# Altium PCB braking_io.PcbDoc (part 4 of 4)
Units mil, origin at the board's own origin, x right, y up, seen from the top; angles counter-clockwise.
Board outline 6000 x 3840 mil, 4 copper layers (Top Layer, GND, PWR, Bottom Layer), stack 61.7 mil thick; 458 components, 212 nets, 1177 pads, 414 vias.
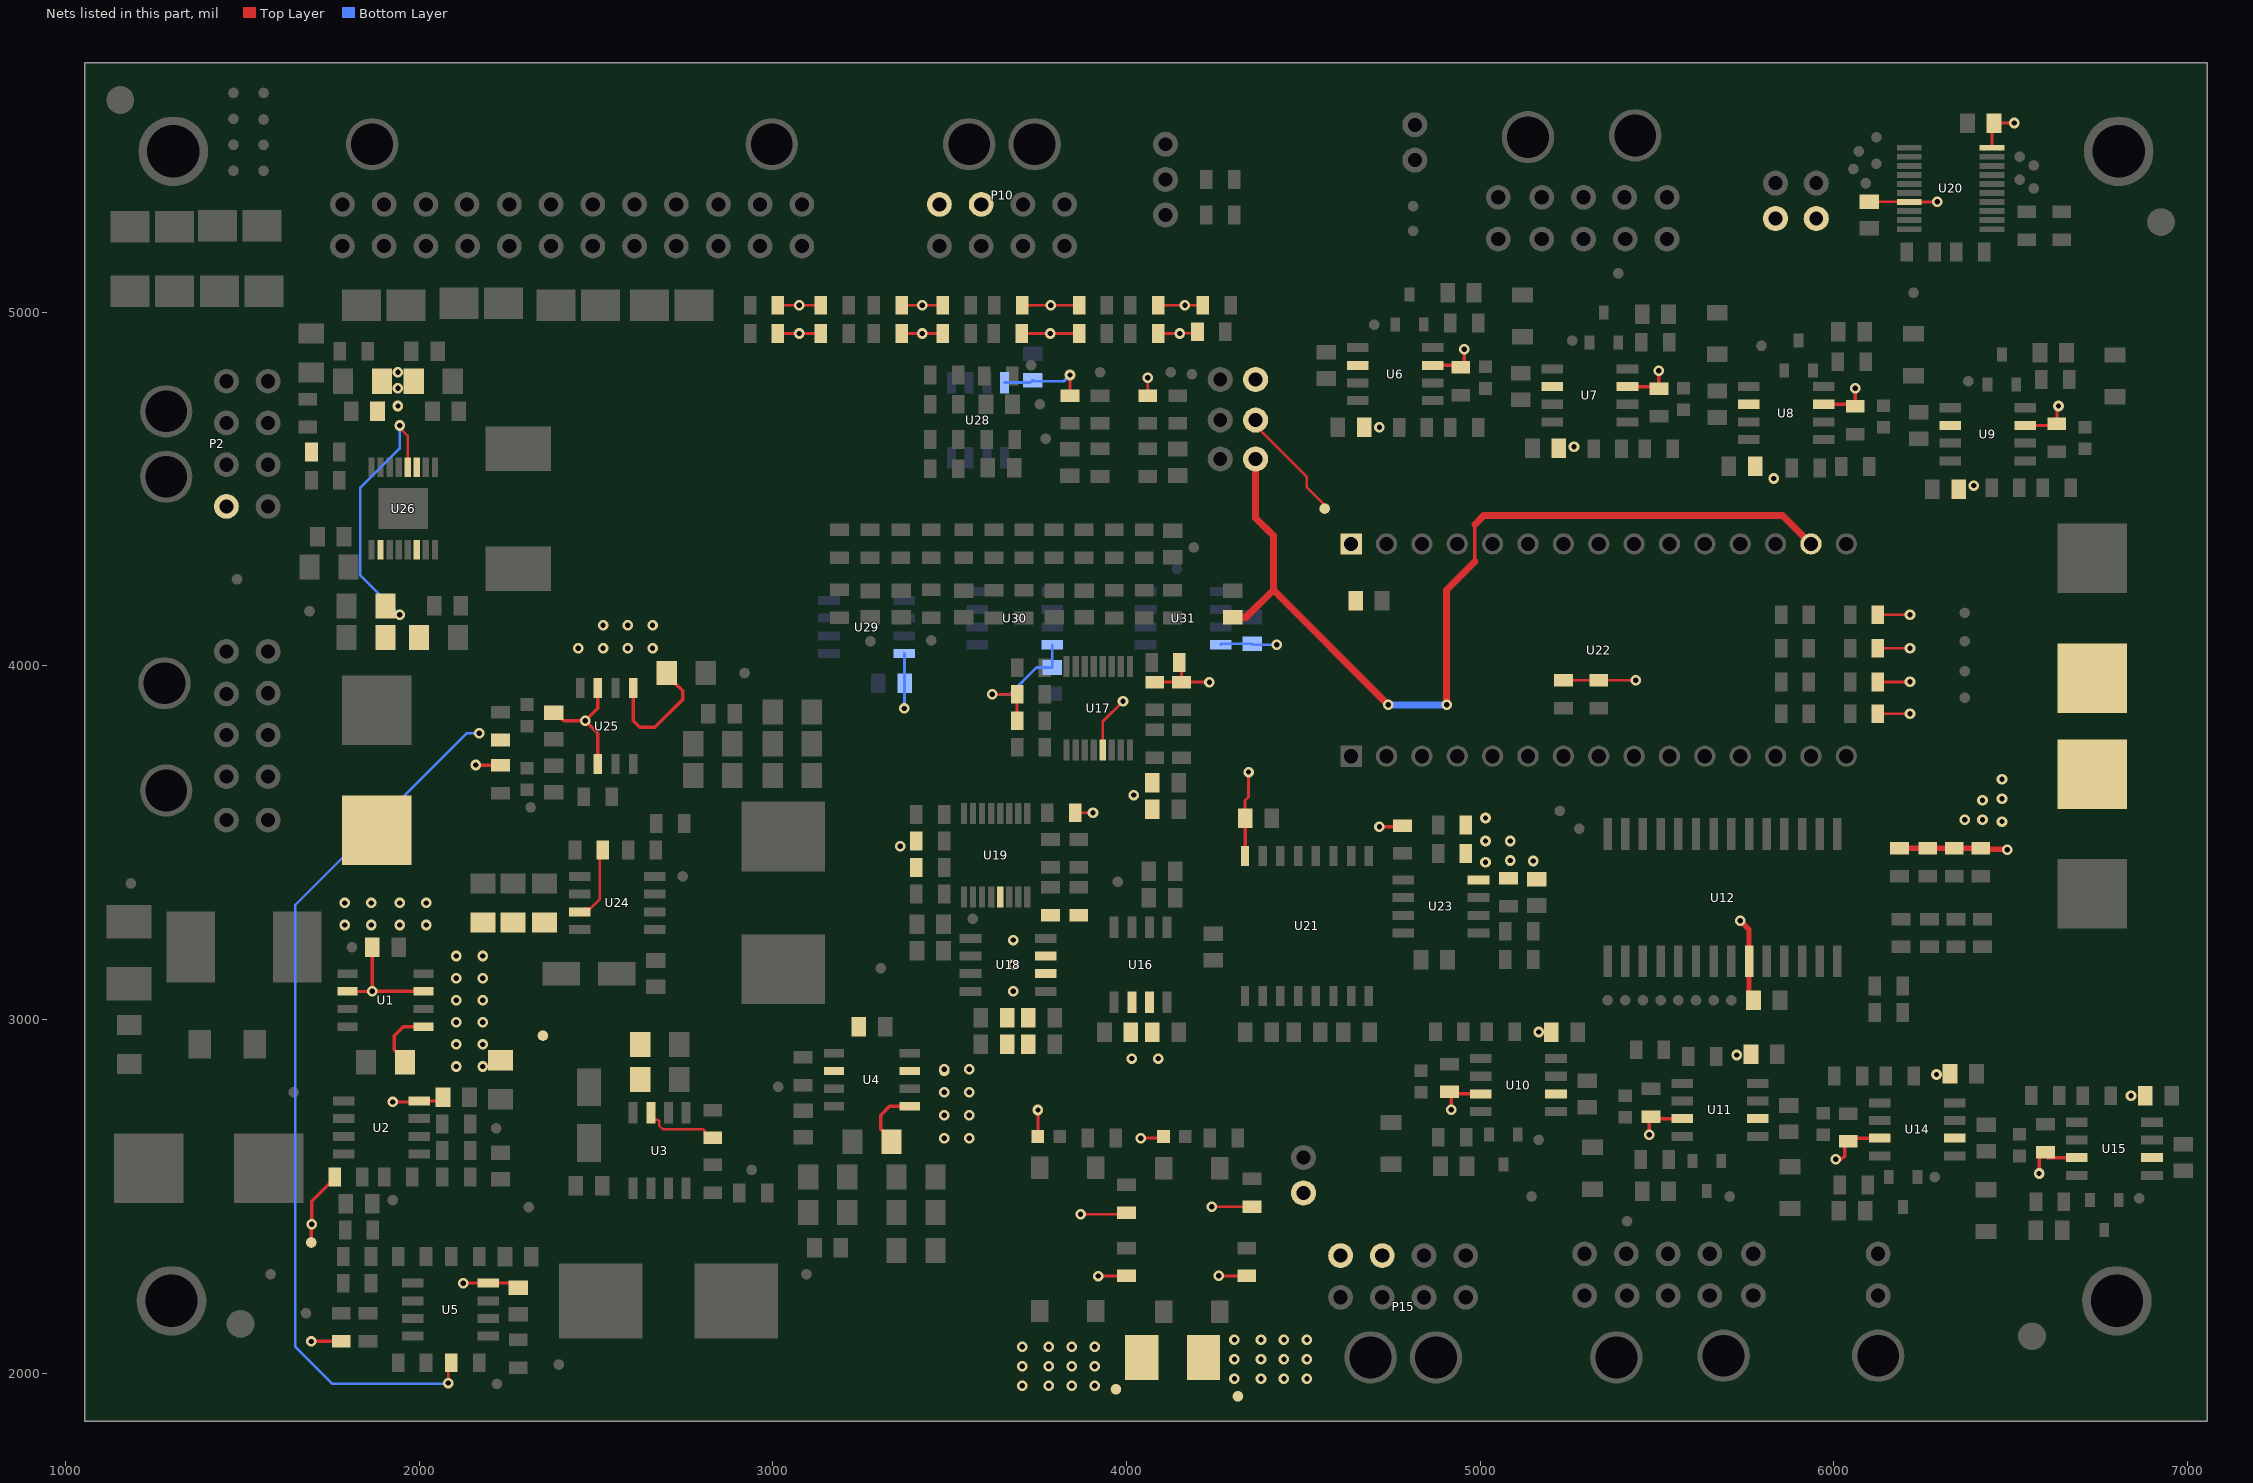
[diagram p6: the nets of this part, all layers, seen from the top]

## Via types
v1: diameter 30, hole 15, Top Layer to Bottom Layer, 414 vias

## Nets (pads, with @x,y where several pads share a name; then routed paths per layer and width w, separated by ;. In a path a pad name is that pad's centre, name@x,y a point inside that pad or via, vN(x,y) a via of type N, cw(c..) or ccw(c..) an arc to the next point about the centre after c; other vN are vias at no path point) (continued)
V-BUS_FILT: C6.1 C7.1 C8.1 C81.1 C82.1 C83.1 C90.1 C101.1 C102.1 C103.1 F2.1 P3.1 P15.7 P15.8 R2.2 R4.1 R9.1 R148.1 R162.1 R165.1 TP11.1 TP16.1 TP86.1 U1.1 U3.7 U24.7 U26.4 U26.10 U26.14 | length 1747.4
  Top Layer w7: v1(1945,4680) 1945,4673.44 1967.8,4650.64 U26.4@1967.8,4561.14 ; U24.7@2453.62,3305 2462.92,3314.3 2484.3,3314.3 2510,3340 2510,3470.63 R148.1@2519.37,3480 ; U3.7@2655,2736.3 2655,2726.4 2664.3,2717.1 2674.19,2717.1 2678.7,2712.59 2678.7,2700.2 2688.9,2690 2802.82,2690 2806.93,2685.9 2806.93,2679.85 2821.14,2665.63 R9.1@2830,2665.63
  Top Layer w8: v1(3920,2275) 3920.63,2275.63 R162.1@4000,2275.63 ; v1@4260,2275 v1(4260.63,2275.63) R165.1@4340,2275.63
  Top Layer w10: TP11.1@1695,2370 1695,2420 v1(1696.25,2421.25) 1696.25,2486.25 1756.93,2546.93 1756.93,2555 R4.1@1760.91,2555 ; R2.2@1960.12,2880 1960.12,2885.91 1936.57,2909.45 1935.86,2909.45 1930,2915.31 1930,2955 1955,2980 U1.1@2012.28,2980
  Bottom Layer w7: v1(1945,4145) 1833,4257 1833,4502.69 1945,4614.69 v1(1945,4680)
  other v1: 3705,1965 3780,1965 3845,1965 3910,1965 3705,2020 3780,2020 3845,2020 3910,2020 3705,2075 3780,2075 3845,2075 3910,2075 2105,2867.5 2180,2867.5 2105,2930 2180,2930 2105,2992.5 2180,2992.5 2105,3055 2180,3055 2105,3117.5 2180,3117.5 2105,3180 2180,3180 1790,3267.5 1865,3267.5 1945,3267.5 2020,3267.5 1790,3330 1865,3330 1945,3330 2020,3330
V-BUS_SOL: C19.1 C20.1 C25.1 C26.1 C31.1 C32.1 C39.1 C40.1 F2.2 TP12.1 U6.2 U7.2 U8.2 U9.2 U10.2 U11.2 U14.2 U15.2
  other v1: 4305,1985 4380,1985 4445,1985 4510,1985 4305,2040 4380,2040 4445,2040 4510,2040 4305,2095 4380,2095 4445,2095 4510,2095 6840,2785 6290,2845 5725,2900 5165,2965 6395,4510 5830,4530 5265,4620 4715,4675
V-POS3V3: C77.1 P6.1 U22.4.14 | length 2699
  Top Layer w10: 4985,4295 4985,4400
  Top Layer w20: C77.1@4300,4137.6 4337.6,4137.6 4415,4215 ; P6.1@4365,4585 4365,4418.12 4415,4368.12 4415,4215 ; v1(4740,3890) 4415,4215 ; v1(4905,3890) 4905,4215 4985,4295 ; 4985,4400 5010,4425 5855,4425 U22.4.14@5935,4345
  Bottom Layer w20: v1(4740,3890) v1(4905,3890)
V-POS5V: C2.2 C4.1 C16.1 C17.2 C37.1 C38.1 C55.1 C56.1 C59.1 C60.1 C61.1 C62.1 C65.1 C66.1 C67.1 C68.1 C76.1 C78.1 C91.1 C93.2 C100.1 C108.1 LED11.1 LED.1 P2.1 P5.1 P10.1 P10.2 P13.1 P14.1 R8.2 R11.2 R15.2 R19.1 R20.1 R27.1 R28.1 R35.1 R36.1 R43.2 R44.2 R45.2 R46.2 R53.1 R54.1 R61.2 R63.2 R65.2 R67.2 R81.2 R83.2 R85.2 R87.2 R103.2 R104.2 R107.2 R108.2 R109.2 R110.2 R111.2 R116.2 R117.2 R118.2 R119.2 R120.2 R129.2 R130.2 R131.2 R133.2 R134.2 R135.2 R136.2 R137.2 R138.2 R139.2 R163.2 R166.2 TP18.1 U1.3 U1.6 U2.8 U4.1 U4.3 U4.6 U5.8 U6.7 U7.7 U8.7 U9.7 U10.7 U11.7 U12.9 U14.7 U15.7 U16.2 U16.3 U17.5 U18.2 U18.3 U19.5 U20.7 U20.20 U21.16 U23.8 U25.3 U25.6 U28.8 U29.8 U30.8 U31.8 | length 6653.3
  Top Layer w7: R116.2@3854.37,3585 v1(3905,3585) ; R104.2@4060,4764.37 v1(4060,4815)
  Top Layer w8: U1.6@1797.72,3080 v1(1867.6,3080) ; v1(1925,2767.4) 1997.4,2767.4 U2.8@2000,2770 2057.6,2770 C4.1@2067.6,2780 ; v1(2125,2255) U5.8@2195,2255 2267.4,2255 C16.1@2280,2242.4 ; R81.2@3014.37,5020 v1(3075,5020) R83.2@3135.63,5020 ; R85.2@3364.37,5020 v1(3422.5,5020) R87.2@3480.63,5020 ; v1(3620,3920) R109.2@3690.63,3920 R108.2@3690.63,3845 ; R61.2@3705,5020 v1(3785.32,5020) R63.2@3865.63,5020 ; LED.1@3749.49,2670 v1(3749.49,2744.49) v1@3750,2745 ; R103.2@3840,4764.37 v1(3840,4822.5) ; v1(3870,2450) R163.2@4000,2450 ; U17.5@3932.8,3761.89 3932.8,3842.8 v1(3990,3900) ; v1(4040,2665) 4099.49,2665 LED11.1@4104.49,2670 ; R111.2@4080,3954.37 R110.2@4155,3954.37 ; R65.2@4089.37,5020 v1(4165,5020) R67.2@4215.63,5020 ; R107.2@4149.37,4030 4155,4024.37 R110.2@4155,3954.37 ; v1@4235,3955 v1(4234.37,3954.37) R110.2@4155,3954.37 ; v1(4240.63,2471.26) R166.2@4355,2471.26 ; C76.1@4335.2,3570 4335.2,3620 4345,3629.8 v1(4345,3700) ; R129.2@5235,3959.37 R130.2@5335,3959.37 5439.37,3959.37 v1(5440,3960) ; C68.1@6100,5312.4 6212.28,5312.4 U20.7@6213.07,5311.61 6291.61,5311.61 v1(6292.46,5312.46) ; R136.2@6124.37,3865 v1(6215,3865) ; R135.2@6124.37,3955 v1(6215,3955) ; R134.2@6124.37,4050 v1(6215,4050) ; R133.2@6124.37,4145 v1(6215,4145) ; U20.20@6446.93,5465.16 6446.93,5529.53 C67.1@6452.4,5535 v1(6510,5535) ; U9.7@6541.3,4680 6625.63,4680 R28.1@6630,4684.37 6630.79,4685.16 6630.79,4730.79 v1(6635,4735)
  Top Layer w10: v1@1695,2090 v1(1695.32,2090.32) 1695.63,2090.63 R15.2@1780,2090.63 ; C2.2@1867.6,3205 v1(1867.6,3080) U1.3@2012.28,3080 ; v1(2160,3720) 2160.63,3719.37 R11.2@2230,3719.37 ; C93.2@2380,3867.4 2386.89,3867.4 2402.56,3851.73 2402.56,3850.86 2408.42,3845 v1(2470,3845) ; U25.6@2505,3722.72 2505,3810 v1(2470,3845) ; U25.3@2505,3937.28 2505,3880 v1(2470,3845) ; R8.2@3335.12,2655 3335.12,2660.91 3311.57,2684.45 3310.86,2684.45 3305,2690.31 3305,2730 3330,2755 U4.1@3387.28,2755 ; U21.16@4335,3462.83 4335.2,3463.03 C76.1@4335.2,3570 ; v1(4715,3545) 4776.26,3545 R139.2@4780,3548.74 ; U6.7@4866.3,4850 4949.37,4850 4955,4844.37 v1(4955,4895) ; v1(4917.83,2745) 4917.83,2795.63 4923.46,2790 U10.7@5001.54,2790 U10.7@5006.54,2790 ; U7.7@5416.3,4790 5499.37,4790 R20.1@5505,4784.37 v1(5505,4835) ; v1(5477.83,2675) 5477.83,2725.63 5483.46,2720 U11.7@5566.54,2720 ; U8.7@5971.3,4740 6054.37,4740 R27.1@6060,4734.37 v1(6060,4785) ; v1(6005,2605) 6021.1,2605 6030.67,2614.57 R53.1@6030.67,2660.63 ; R53.1@6046.3,2665 U14.7@6129.37,2665 ; v1(6580,2565) 6580,2630 6581.73,2631.73 6603.46,2610 U15.7@6686.54,2610
  Top Layer w12: U12.9@5760,3120 U12.9@5760,3165 5760,3210
  Top Layer w15: v1(5735,3280) 5760,3255 5760,3210 ; U12.9@5760,3120 5760,3067.6 C38.1@5772.6,3055 ; R43.2@6185,3484.37 R44.2@6265,3484.37 R45.2@6340,3484.37 R46.2@6415,3484.37 ; R46.2@6415,3480 6417.19,3482.19 6487.81,3482.19 v1(6490,3480)
  Bottom Layer w8: v1(3371.3,3880) 3372.4,3881.1 C108.1@3372.4,3951 3372.4,4033.9 U29.8@3371.3,4035 ; v1(3620,3920) 3670,3920 3745.8,3995.8 C37.1@3790,3995.8 U30.8@3790,4060 ; U28.8@3655,4801.3 3728.7,4801.3 C91.1@3735,4807.6 3737.6,4805 3822.5,4805 v1(3840,4822.5) ; U31.8@4266.3,4060 4268.9,4062.6 C100.1@4355,4062.6 4357.6,4060 v1(4425,4060)
  other v1: 3485,2665 3555,2665 3485,2730 3555,2730 3485,2795 3555,2795 3485,2860 3555,2860 4015,2890 4090,2890 3680,3080 3680,3155 3680,3225 5015,3445 5150,3448.71 5085,3450 3360,3490 5015,3505 5085,3505 5015,3570 4020,3635
V-POS7V: C70.1 C71.1 C72.1 P4.1 R147.2 R150.2 R154.2 TP88.1 U22.4.1 U25.1 | length 3231.1
  Top Layer w7: v1(2082.5,1972.5) 2082.5,2021.87 R154.2@2090.63,2030 ; P4.1@4365,4695 4350,4695 4350,4693.83 4510,4533.83 4510,4505 4560,4455 TP88.1@4560,4445
  Top Layer w10: U25.1@2605,3937.28 2605,3845 2623.71,3826.29 2666.29,3826.29 2745,3905 2745,3929.69 2724.14,3950.55 2723.43,3950.55 2699.88,3974.09 R147.2@2699.88,3980
  Bottom Layer w7: v1@2085,1975 v1(2082.5,1972.5) 2080,1970 1755,1970 1650,2075 1650,3325 2135,3810 v1(2170,3810)
  other v1: 6475,3560 6370,3565 6420,3565 6420,3620 6475,3625 6475,3680 2450,4050 2520,4050 2590,4050 2660,4050 2520,4115 2590,4115 2660,4115
V-POS24V: C97.1 C98.1 C99.1 R62.2 R64.2 R66.2 R68.2 R82.2 R84.2 R86.2 R88.2 R158.2 U26.3 | length 516.9
  Top Layer w7: v1(4150,4940) 4195.63,4940 R68.2@4200.63,4945
  Top Layer w8: R82.2@3014.37,4940 v1(3075,4940) R84.2@3135.63,4940 ; R86.2@3364.37,4940 v1(3422.5,4940) R88.2@3480.63,4940 ; R62.2@3703.74,4940 v1(3784.69,4940) R64.2@3865.63,4940 ; R66.2@4089.37,4940 4094.37,4935 4099.37,4940 v1(4150,4940)
  other v1: 1940,4735 1940,4785 1940,4830
pads on no net: MH1.2 MH2.2 MH3.2 MH4.2 P1.11 P2.9 P8.11 P9.11 P10.7 P10.8 P10.9 P15.3 P15.4 P15.9 P16.3 TP5.1 TP6.1 TP7.1 TP8.1 U1.4 U2.1 U3.2 U3.3 U4.4 U12.11 U12.14 U12.19 U16.1 U16.5 U16.7 U16.8 U18.1 U18.5 U18.7 U18.8 U20.6 U20.8 U20.9 U20.11 U20.12 U20.13 U20.14 U20.15 U21.7 U21.8 U21.9 U21.10 U22.3.5 U22.3.6 U22.3.11 U22.4.4 U22.4.5 U22.4.6 U22.4.7 U22.4.8 U22.4.9 U22.4.10 U22.4.11 U24.2 U24.3 U25.4

## Polygon pours and split planes (outlines as drawn)
GND on Top Layer "Top Layer-GND 12" (solid, pour order 197): 1825,4680 1825,4935 1815,4945 1790,4945 1755,4980 1535,4980 1505,4950 1505,4655 1625,4655 1625,4665 1640,4680
NetQ5_2 on Top Layer "Top Layer-NetQ5_2" (solid, remove dead copper, pour order 322): 5070.33,2992.5 5067.83,2990 5067.83,2877.83 5050,2860 4967.4,2860 4962.4,2855 4962.4,2827.6 4970,2820 5040,2820 5050,2810 5050,2707.4 5045,2702.4 5017.4,2702.4 5010,2695 5010,2655 5015,2650 5039.37,2650 5045,2655.63 5045,2680 5045.63,2680 5095,2729.37 5095,2915 5115,2935 5120,2940 5120,2987.5 5115,2992.5
NetQ1_2 on Top Layer "Top Layer-NetQ1_2" (solid, remove dead copper, pour order 320): 4790,4640 4800,4650 4800,4770 4810,4780 4895.63,4780 4900,4784.37 4900,4815 4895,4820 4832.4,4820 4825,4827.4 4825,4930 4835.12,4940.12 4855.12,4940.12 4860,4945 4860,4980 4850,4990 4825,4990 4815,4980 4815,4950 4765,4900 4765,4725 4745,4705 4745,4645 4750,4640
NetQ2_2 on Top Layer "Top Layer-NetQ2_2" (solid, remove dead copper, pour order 318): 5344.45,4580 5349.45,4585 5349.45,4700 5350,4700 5365,4715 5442.6,4715 5450,4722.4 5450,4752.6 5441.65,4760.94 5379.06,4760.94 5375,4765 5375,4775 5375,4875.94 5394.06,4895 5405,4895 5408,4898 5408,4930.43 5399.37,4939.06 5374.06,4939.06 5360,4925 5360,4890 5317.83,4847.83 5317.83,4662.83 5300,4645 5300,4585 5305,4580
NetQ3_2 on Top Layer "Top Layer-NetQ3_2" (solid, remove dead copper, pour order 316): 5900,4525 5910,4535 5910,4655 5920,4665 5994.37,4665 6005,4675.63 6005,4710 6000,4715 5929.49,4715 5920,4724.49 5920,4802.6 5930,4812.6 5962.6,4812.6 5965,4815 5965,4850 5955,4860 5935,4860 5925,4860 5915,4850 5915,4830.09 5895.18,4810.09 5872.83,4787.75 5872.83,4615.33 5860,4602.5 5860,4530 5865,4525
NetQ4_2 on Top Layer "Top Layer-NetQ4_2" (solid, remove dead copper, pour order 314): 6497.4,4820 6475,4797.6 6475,4780 6430.67,4735.67 6430.67,4545.67 6420,4535 6420,4469.37 6424.37,4465 6465,4465 6480,4480 6480,4595 6497.4,4612.4 6572.4,4612.4 6580,4620 6580,4641.26 6571.26,4650 6510,4650 6500,4660 6500,4760 6510,4770 6530,4770 6535,4775 6535,4810 6525,4820
NetQ8_2 on Top Layer "Top Layer-NetQ8_2" (solid, remove dead copper, pour order 312): 6764.45,2815 6760,2810.55 6760,2710.51 6725,2675.51 6650.51,2675.51 6645,2670 6645.24,2644.76 6650.94,2639.06 6725.94,2639.06 6730,2635 6730,2535 6714.06,2519.06 6709.06,2519.06 6695,2505 6695,2470 6700,2465 6738.74,2465 6750,2476.26 6750,2509.05 6785,2544.05 6785,2732.4 6805,2752.4 6805,2810 6800,2815
NetQ7_2 on Top Layer "Top Layer-NetQ7_2" (solid, remove dead copper, pour order 308): 6202.5,2870 6200,2867.5 6200,2751.3 6183.7,2735 6100,2735 6095,2730 6095,2696.87 6099.37,2692.5 6167.5,2692.5 6175,2685 6175,2596.68 6158.32,2580 6145,2580 6135,2570 6135,2535 6140,2530 6175,2530 6190,2545 6190,2569.05 6220,2599.05 6220,2803.74 6225,2808.74 6243.74,2808.74 6250,2815 6250,2865 6245,2870
SOL_EN_5 on Top Layer "Top Layer-SOL_EN_5" (solid, remove dead copper, pour order 306): 5395,2750 5431.25,2750 5431.25,2647.4 5439.64,2639.02 5465.98,2639.02 5475,2630 5475,2575 5470,2570 5285,2570 5270,2585 5270,2650 5294.49,2674.49 5361.89,2674.49 5385,2697.6 5385,2750
V-POS7V on Top Layer "Top Layer-V-POS7V" (solid, pour order 300): 2265,3760 2270,3765 2485,3980 2635,3980 2670,3945 2715,3945 2715,3965 2725,3975 2725,4175 2710,4190 2525,4190 2440,4105 2245,4105 2145,4005 2145,3795 2180,3760
GND on Top Layer "Top Layer-GND 4" (solid, pour order 48): 3030,2330 3042.56,2317.44 3148.27,2317.44 3155,2324.17 3155,2680 3130,2705 3055,2705 3030,2680
GND on Top Layer "Top Layer-GND 6" (solid, pour order 34): 2695,2980 2780,2980 2805,2955 3055,2955 3055,2565 2480,2565 2445,2600 2445,2705 2695,2705
V-BUS_FILT on Top Layer "Top Layer-V-BUS_FILT" (solid, pour order 293): 2545,2890 2580,2855 2580,2805 2640,2745 2640,2705 2680,2705 2680,2955 2655,2980 2580,2980 2280,2980 2230,3030 2230,3155 2305,3230 2380,3230 2430,3280 2480,3280 2480,3330 2155,3330 2120,3330 2095,3355 2095,4010 2040,4065 2040,4115 2005,4150 2005,4355 1880,4355 1880,4300 1870,4290 1860,4290 1850,4280 1850,4045 1875,4020 1990,4020 2005,4005 2005,3650 2000,3645 1750,3645 1710,3605 1710,3345 1810,3245 1995,3245 2005,3235 2050,3235 2055,3230 2055,2955 2030,2930 1980,2930 1930,2880 1930,2830 2280,2830 2340,2890
no net on Top Layer "Top Layer-No Net 14" (solid, pour order 285): 6762.83,1755
NetC80_2 on Top Layer "Top Layer-NetC80_2" (solid, pour order 283): 3205,3050 3220,3065 3305,3065 3330,3090 3330,3180 3280,3230 3205,3230 3180,3255 2805,3255 2680,3130 2505,3130 2505,3279.53 2413.11,3277.8 2413.11,3238.11 2380,3205 2305,3205 2255,3155 2255,3030 2280,3005 2780,3005 2805,2980 3160,2980 3205,3025
NetQ6_2 on Top Layer "Top Layer-NetQ6_1" (solid, remove dead copper, pour order 255): 5532.83,2750 5602.83,2750 5627.83,2725 5627.83,2667.17 5700,2595 5700,2460 5715,2460 5735,2480 5735,2637.84 5697.83,2675 5687.83,2685 5687.83,2925 5672.83,2940 5632.83,2940 5627.83,2935 5627.84,2815 5602.83,2790 5532.83,2790
GND on Top Layer "Top Layer-GND 9" (solid, pour order 247): 4115,3465 4140,3490 4230,3490 4260,3460 4260,3320 4250,3310 4120,3310 4115,3315
V-POS7V on Top Layer "Top Layer-V-POS7V 1" (solid, pour order 243): 6242.81,3497.81 6575,3830 6575,4055 6620,4100 6915,4100 6980,4035 6980,3630 6842.81,3492.81
V-POS7V on Top Layer "Top Layer-V-POS7V 2" (solid, remove dead copper, pour order 239): 4525,4450 4555,4480 4665,4480 4730,4415 4730,4150 4705,4125 4565,4125 4510,4180 4510,4435 4555,4480
V-BUS_SOL on Top Layer "Top Layer-V-BUS_SOL 1" (solid, pour order 233): 4140,1975 4200,1915 4530,1915 4555,1940 4555,2105 4520,2140 4165,2140 4140,2115
V-BUS_FILT on Top Layer "Top Layer-V-BUS_FILT 2" (solid, pour order 225): 3600,1945 3640,1905 4035,1905 4105,1975 4105,2125 4085,2145 3635,2145 3600,2110
GND on Top Layer "Top Layer-GND 10" (solid, pour order 217): 2020,4920 2145,4920 2230,4835 2230,4785 2215,4770 2070,4770 2070,4835 2045,4860 2020,4860
V-POS24V on Top Layer "Top Layer-V-POS24V" (solid, pour order 215): 2005,4535 1970,4570 1690,4570 1675,4585 1675,4650 1719,4650 1774,4705 1840,4705 1840,4830 1860,4850 2010,4850 2030,4830 2030,4660 2005,4635
NetC96_1 on Top Layer "Top Layer-NetC96_1" (solid, pour order 213): 2010,4555 2010,4630 2070,4690 2070,4740 2095,4765 2350,4765 2390,4725 2390,4565 2370,4545 2090,4545 2075,4560 2075,4595 2070,4600 2040,4600 2035,4595 2035,4555
GND on Top Layer "Top Layer-GND 11" (solid, pour order 209): 1840,4295 1840,4330 1840,4590 2060,4590 2060,4295
no net on Top Layer "Top Layer-No Net 5" (solid, pour order 201): 1835,3300
NetC95_1 on Top Layer "Top Layer-NetC95_1" (solid, pour order 199): 2010,4350 2010,4130 2425,4130 2505,4210 2505,4315 2480,4340 2120,4340 2065,4285 2035,4285 2035,4295 2030,4300 2030,4350
GND on Top Layer "Top Layer-GND 13" (solid, pour order 195): 1405,4205 1725,4205 1745,4185 1745,3780 1770,3755 1985,3755 1995,3765 1995,3990 1990,3995 1870,3995 1840,4025 1840,4210 1825,4225 1750,4225 1730,4245 1730,4440 1730,4425 1730,4440 1730,4560 1720,4570 1645,4570 1645,4575 1625,4595 1625,4745 1615,4755 1525,4755 1505,4735 1505,4425 1400,4320 1400,4210
V-4P5VRef_1 on Top Layer "Top Layer-V-4P5VRef_1" (solid, pour order 191): 4045,3215 4085,3215 4085,3295 4100,3310 4100,3525 4070,3555 4020,3555 3985,3590 3985,3685 3955,3715 3880,3715 3845,3750 3845,3795 3820,3795 3820,3640 3835,3625 3920,3625 3940,3605 3940,3220
GND on Top Layer "Top Layer-GND 14" (solid, pour order 189): 4125,2935 4205,2935 4225,2955 4225,3065 4200,3090 4100,3090 4100,3015 4120,2995 4125,2995
V-POS5V on Top Layer "Top Layer-V-POS5V 5" (solid, pour order 187): 3995,3090 4000,3090 4005,3095 4075,3095 4085,3085 4085,3010 4105,2990 4105,2935 4130,2910 4130,2865 4105,2840 3980,2840 3975,2845 3975,2915 3985,2925 3985,3000 3995,3010
GND on Top Layer "Top Layer-GND 15" (solid, pour order 183): 3775,2900 3960,2900 3965,2905 3965,3005 3960,3010 3915,3010 3882.44,3042.56 3772.56,3042.56
V-POS5V on Top Layer "Top Layer-V-POS5V 6" (solid, pour order 181): 3635,3200 3630,3205 3630,3375 3655,3375 3655,3315 3895,3315 3900,3310 3900,3265 3890,3255 3740,3255 3730,3245 3730,3205 3735,3200 3815,3200 3825,3190 3825,3115 3805,3095 3635,3095
GND on Top Layer "Top Layer-GND 16" (solid, pour order 180): 4125,3565 4125,3700 4240,3700 4245,3695 4245,3595 4215,3565
V-POS5V on Top Layer "Top Layer-V-POS5V 4" (solid, pour order 178): 4100,3565 4100,3700 4005,3700 4000,3695 4000,3590 4025,3565
V-BUS on Top Layer "Top Layer-V-BUS" (solid, pour order 176): 1725,4095 1735,4105 1735,4165 1720,4180 1605,4180 1130,4180 1105,4155 1105,3230 1130,3205 1230,3205 1255,3230 1255,3355 1305,3405 1605,3405 1630,3430 1630,4095
V-POS5V on Top Layer "Top Layer-V-POS5V 2" (solid, pour order 172): 3635,2895 3745,2895 3745,3015 3815,3085 3815,3200 3635,3200
V-4P5VRef_2 on Top Layer "Top Layer-V-4P5VRef_2" (solid, pour order 170): 3595,3160 3595,3345 3550,3390 3510,3390 3440,3320 3440,3175 3455,3160
V-POS5V on Top Layer "Top Layer-V-POS5V 3" (solid, pour order 168): 3430,3400 3430,3535 3325,3535 3300,3510 3300,3424.04 3324.04,3400
V-POS5V on Top Layer "Top Layer-V-POS5V" (solid, pour order 156): 3330,2630 3355,2605 3605,2605 3655,2655 3655,2805 3657.5,2807.5 3435,3030 3230,3030 3205,3005 3205,2880 3130,2880 3130,2830 3430,2830 3455,2805 3455,2730 3430,2705 3355,2705 3330,2680
V-POS5V on Top Layer "Top Layer-V-POS5V 1" (solid, pour order 154): 4920,3570 4920,3390 4945,3365 5195,3365 5205,3375 5205,3445 5195,3455 5060,3590 4935,3590
V-BUS_SOL on Top Layer "Top Layer-No Net 1" (solid, pour order 150): 6907.83,2815 6892.83,2830 6842.83,2830 6817.83,2805 6817.83,2595 6822.83,2590 6932.83,2590 6942.83,2600 6942.83,2620 6927.83,2635 6862.83,2635 6852.83,2645 6852.83,2735 6862.83,2745 6902.83,2745 6907.83,2750
GND on Top Layer "Top Layer-No Net 2" (solid, pour order 148): 6932.83,2825 6922.83,2815 6922.83,2745 6912.83,2735 6867.83,2735 6857.83,2725 6857.83,2690 6992.83,2690 7030,2727.17 7030,2810 7015,2825
SOL_DRV_7 on Top Layer "Top Layer-No Net 3" (solid, pour order 146): 7022.83,2630 7012.83,2620 6952.83,2620 6932.83,2640 6862.83,2640 6862.83,2680 7012.83,2680 7022.83,2670
NetC42_1 on Top Layer "Top Layer-No Net 4" (solid, pour order 144): 6862.83,2535 7012.83,2535 7022.83,2545 7022.83,2595 7007.83,2610 6967.83,2610 6942.83,2585 6862.83,2585
V-BUS_SOL on Top Layer "Top Layer-No Net 6" (solid, pour order 140): 6350.67,2870 6335.67,2885 6285.67,2885 6260.67,2860 6260.67,2650 6265.67,2645 6375.67,2645 6385.67,2655 6385.67,2675 6370.67,2690 6305.67,2690 6295.67,2700 6295.67,2790 6305.67,2800 6345.67,2800 6350.67,2805
GND on Top Layer "Top Layer-No Net 7" (solid, pour order 138): 6375.67,2880 6365.67,2870 6365.67,2800 6355.67,2790 6310.67,2790 6300.67,2780 6300.67,2745 6435.67,2745 6485,2794.33 6485,2870 6475,2880
SOL_DRV_6 on Top Layer "Top Layer-No Net 8" (solid, pour order 136): 6465.67,2685 6455.67,2675 6395.67,2675 6375.67,2695 6305.67,2695 6305.67,2735 6455.67,2735 6465.67,2725
NetC41_1 on Top Layer "Top Layer-No Net 9" (solid, pour order 134): 6305.67,2590 6455.67,2590 6465.67,2600 6465.67,2650 6450.67,2665 6410.67,2665 6385.67,2640 6305.67,2640
NetC34_1 on Top Layer "Top Layer-No Net 10" (solid, pour order 132): 5742.83,2645 5892.83,2645 5902.83,2655 5902.83,2705 5887.83,2720 5847.83,2720 5822.83,2695 5742.83,2695
SOL_DRV_5 on Top Layer "Top Layer-No Net 11" (solid, pour order 130): 5905,2742.17 5892.83,2730 5832.83,2730 5812.83,2750 5742.83,2750 5742.83,2790 5892.83,2790 5905,2777.83
GND on Top Layer "Top Layer-No Net 12" (solid, pour order 128): 5812.83,2935 5802.83,2925 5802.83,2855 5792.83,2845 5747.83,2845 5737.83,2835 5737.83,2800 5872.83,2800 5920,2847.17 5920,2920 5905,2935
V-BUS_SOL on Top Layer "Top Layer-No Net 13" (solid, pour order 126): 5787.83,2925 5772.83,2940 5722.83,2940 5697.83,2915 5697.83,2705 5702.83,2700 5812.83,2700 5822.83,2710 5822.83,2730 5807.83,2745 5742.83,2745 5732.83,2755 5732.83,2845 5742.83,2855 5782.83,2855 5787.83,2860
NetC33_1 on Top Layer "Top Layer-No Net 15" (solid, pour order 122): 5182.83,2715 5332.83,2715 5342.83,2725 5342.83,2775 5327.83,2790 5287.83,2790 5262.83,2765 5182.83,2765
SOL_DRV_2 on Top Layer "Top Layer-No Net 16" (solid, pour order 120): 5342.83,2810 5332.83,2800 5272.83,2800 5252.83,2820 5182.83,2820 5182.83,2860 5332.83,2860 5342.83,2850
GND on Top Layer "Top Layer-No Net 17" (solid, pour order 118): 5252.83,3005 5242.83,2995 5242.83,2925 5232.83,2915 5187.83,2915 5177.83,2905 5177.83,2870 5345,2870 5365,2890 5365,2980 5340,3005
V-BUS_SOL on Top Layer "Top Layer-No Net 18" (solid, pour order 116): 5227.83,2995 5212.83,3010 5162.83,3010 5137.83,2985 5137.83,2775 5142.83,2770 5252.83,2770 5262.83,2780 5262.83,2800 5247.83,2815 5182.83,2815 5172.83,2825 5172.83,2915 5182.83,2925 5222.83,2925 5227.83,2930
NetC28_1 on Top Layer "Top Layer-No Net 20" (solid, pour order 112): 6365,4755 6215,4755 6205,4745 6205,4695 6220,4680 6260,4680 6285,4705 6365,4705
SOL_DRV_4 on Top Layer "Top Layer-No Net 21" (solid, pour order 110): 6205,4660 6215,4670 6275,4670 6295,4650 6365,4650 6365,4610 6215,4610 6205,4620
GND on Top Layer "Top Layer-No Net 22" (solid, pour order 108): 6295,4465 6305,4475 6305,4545 6315,4555 6360,4555 6370,4565 6370,4600 6205,4600 6185,4580 6185,4480 6200,4465
V-BUS_SOL on Top Layer "Top Layer-No Net 23" (solid, pour order 106): 6320,4475 6335,4460 6385,4460 6410,4485 6410,4695 6405,4700 6295,4700 6285,4690 6285,4670 6300,4655 6365,4655 6375,4645 6375,4555 6365,4545 6325,4545 6320,4540
NetC27_1 on Top Layer "Top Layer-No Net 25" (solid, pour order 102): 5795,4815 5645,4815 5635,4805 5635,4755 5650,4740 5690,4740 5715,4765 5795,4765
SOL_DRV_1 on Top Layer "Top Layer-No Net 26" (solid, pour order 100): 5635,4720 5645,4730 5705,4730 5725,4710 5795,4710 5795,4670 5645,4670 5635,4680
GND on Top Layer "Top Layer-No Net 27" (solid, pour order 98): 5725,4525 5735,4535 5735,4605 5745,4615 5790,4615 5800,4625 5800,4660 5665,4660 5645,4640 5645,4545 5665,4525
V-BUS_SOL on Top Layer "Top Layer-No Net 28" (solid, pour order 96): 5750,4535 5780,4505 5840,4505 5850,4515 5850,4745 5835,4760 5725,4760 5715,4750 5715,4730 5730,4715 5795,4715 5805,4705 5805,4615 5795,4605 5755,4605 5750,4600
NetC22_1 on Top Layer "Top Layer-No Net 30" (solid, pour order 92): 5240,4865 5090,4865 5080,4855 5080,4805 5095,4790 5135,4790 5160,4815 5240,4815
SOL_DRV_3 on Top Layer "Top Layer-No Net 31" (solid, pour order 90): 5080,4770 5090,4780 5150,4780 5170,4760 5240,4760 5240,4720 5090,4720 5080,4730
GND on Top Layer "Top Layer-No Net 32" (solid, pour order 88): 5170,4575 5180,4585 5180,4655 5190,4665 5235,4665 5245,4675 5245,4710 5110,4710 5090,4690 5090,4595 5110,4575
V-BUS_SOL on Top Layer "Top Layer-No Net 33" (solid, pour order 86): 5195,4585 5210,4570 5260,4570 5285,4595 5285,4805 5280,4810 5170,4810 5160,4800 5160,4780 5175,4765 5240,4765 5250,4755 5250,4665 5240,4655 5200,4655 5195,4650
V-BUS_SOL on Top Layer "Top Layer-V-BUS_SOL" (solid, pour order 80): 4645,4645 4660,4630 4710,4630 4735,4655 4735,4865 4730,4870 4620,4870 4610,4860 4610,4840 4625,4825 4690,4825 4700,4815 4700,4725 4690,4715 4650,4715 4645,4710
GND on Top Layer "Top Layer-GND" (solid, pour order 78): 4620,4635 4630,4645 4630,4715 4640,4725 4685,4725 4695,4735 4695,4770 4560,4770 4540,4750 4540,4655 4560,4635
SOL_DRV_0 on Top Layer "Top Layer-SOL_DRV_0" (solid, pour order 76): 4530,4830 4540,4840 4600,4840 4620,4820 4690,4820 4690,4780 4540,4780 4530,4790
NetC21_1 on Top Layer "Top Layer-NetC21_1" (solid, pour order 74): 4690,4925 4540,4925 4530,4915 4530,4865 4545,4850 4585,4850 4610,4875 4690,4875
GND on Top Layer "Top Layer-GND 1" (solid, pour order 70): 3060,3670 3090,3640 3255,3640 3270,3655 3270,3945 3250,3965 3095,3965 3060,3930
GND on Top Layer "Top Layer-GND 2" (solid, pour order 68): 2830,3910 2845,3895 2845,3670 2805,3630 2650,3630 2650,3765 2795,3910
NetC84_1 on Top Layer "Top Layer-NetC84_1" (solid, pour order 66): 2715,3515 2730,3500 2785,3500 2880,3405 3130,3405 3180,3455 3180,3605 3155,3630 3080,3630 3030,3680 3030,3955 2955,4030 2805,4030 2785,4010 2785,3952.13 2792.13,3945 2815,3945 2855,3905 2855,3667.5 2815,3627.5 2815,3625 2740,3625 2715,3600
GND on Top Layer "Top Layer-GND 3" (solid, pour order 62): 2120,3565 2140,3585 2595,3585 2635,3545 2635,3099.65 2621.89,3086.54 2495.59,3086.54 2495.59,3339.41 2135.59,3339.41 2120,3355
GND on Top Layer "Top Layer-GND 5" (solid, pour order 46): 3430,2280 3430,2610 3585,2610 3620,2575 3620,2320 3555,2255 3455,2255
NetC9_1 on Top Layer "Top Layer-NetC9_1" (solid, pour order 44): 2755,2305 2755,2080 2805,2030 3320,2030 3405,2115 3405,2555 3355,2605 3280,2605 3255,2630 3255,2655 3230,2680 3205,2680 3170,2645 3170,2330 3155,2315 3045,2315 3030,2330 3030,2580 2980,2580 2955,2555 2955,2505 2780,2330
GND on Top Layer "Top Layer-GND 7" (solid, pour order 32): 2705,2955 2730,2980 2780,2980 2805,2955 2830,2955 2830,2805 2805,2780 2730,2780 2705,2805
NetC5_2 on Top Layer "Top Layer-NetC5_2" (solid, pour order 24): 2613.11,2720 2505,2720 2505,2505 2555,2455 2655,2355 2655,2030 2605,1980 2380,1980 2355,2005 2355,2380 2355,2830 2405,2880 2530,2880 2565,2845 2565,2805 2613.11,2756.89
GND on Top Layer "Top Layer-GND 8" (solid, pour order 12): 1105,2730 1130,2755 1330,2755 1355,2730 1355,2405 1330,2380 1130,2380 1105,2405
NetC1_1 on Top Layer "Top Layer-NetC1_1" (solid, pour order 10): 1455,2480 1480,2455 1680,2455 1730,2505 1730,2805 1755,2830 1880,2830 1880,2880 1832.13,2927.87 1757.13,2927.87 1730,2955 1730,3305 1705,3330 1555,3330 1530,3305 1530,3030 1455,2955 1455,2680
NetL1_1 on Top Layer "Top Layer-NetL1_1" (solid, pour order 6): 1105,2880 1130,2905 1230,2905 1255,2930 1255,2955 1280,2980 1405,2980 1430,2955 1430,2855 1405,2830 1130,2830 1105,2855
NetF1_2 on Top Layer "Top Layer-NetF1_2" (solid, pour order 2): 1105,3155 1130,3180 1230,3180 1280,3230 1280,3305 1305,3330 1430,3330 1455,3305 1455,3055 1405,3005 1255,3005 1230,2980 1230,2955 1205,2930 1130,2930 1105,2955
V-BUS_FILT on Bottom Layer "Bottom Layer-V-BUS_FILT" (solid, remove dead copper, pour order 279): 1725,1925 4125,1925 4125,2210 4190,2275 4755,2275 4785,2305 4785,3330 4555,3560 1960,3560 1655,3255 1655,2475 1655,1995
V-POS7V on Bottom Layer "Bottom Layer-V-POS7V" (solid, remove dead copper, pour order 295): 5825,3925 6300,3450 6520,3450 6520,4330 6440,4410 4540,4410 4530,4400 4510,4420 2685,4420 2400,4135 2400,4005 2541.1,3863.9 3373.65,3853.87 3495,3735 4455,3735 4645,3925
V-POS24V on Bottom Layer "Bottom Layer-V-POS24V" (solid, remove dead copper, pour order 221): 4345,4460.35 4380,4495.35 4380,5065.35 4350,5095.35 1985,5095.35 1850,4960.35 1850,4700.35 1870,4670.35 1970,4670.35 2075,4775.35 2355,4775.35 2670,4460.35
GND on Bottom Layer "Bottom Layer-GND" (solid, remove dead copper, pour order 297): 1110.11,4399.89 1190,4320 1725,4320 1810,4405 1810,4940 1995,5125 4355,5125 4425,5195 4425,5565 4315,5675 1190,5675 1105,5590
GND on Bottom Layer "Bottom Layer-GND 1" (solid, pour order 304): 1780,4285 2015,4050 2015,3705 1630,3320 1630,2000 1555,1925 1185,1925 1110,2000 1110,4155 1240,4285
V-BUS_SOL on Bottom Layer "Bottom Layer-V-BUS_SOL" (solid, pour order 235): 4150,2180 4230,2260 4760,2260 4810,2310 4810,2400 4800,2400 4625,2575 4625,2905 4800,3080 6435,3080 6540,3185 6540,4430 6475,4495 4635,4495 4490,4640 4490,5565 4545,5620 6935,5620 7000,5555 7000,2025 6885,1910 4205,1910 4150,1965
no net on Bottom Layer "Bottom Layer-No Net 1" (solid, pour order 229): 4220,1285
no net on Bottom Layer "Bottom Layer-No Net" (solid, pour order 162): 6910,1495
GND on GND (split plane): 7034.9,1885.1 1075.1,1885.1 1075.1,5684.9 7034.9,5684.9
V-POS5V on PWR (split plane): 7034.9,1885.1 1075.1,1885.1 1075.1,5684.9 7034.9,5684.9

## Silkscreen, mask and mechanical layers (free items; w line width, h text height)
Top Overlay:
  drawing of 33 lines, arcs and shapes, not listed
  text "PRESSURE" at 1230,5645.64 h60
  text "THERM" at 4035,5470 h60 r90
  text "SOLENOID" at 5730,5410 h60 r90
  text "PRESSURE / SENSORS" at 4460,5350 h60 r90
  text "SOLENOIDS" at 4530,5350 h60 r90
  text "WATCHDOG" at 5760,5125 h60
  text "UART" at 1100,4255 h60
  text "VIN" at 1099.08,4205 h60
  text "P. SENSORS" at 2595,4130 h60 r90
  text "POWER" at 2325,4125 h60
  text "RETROS" at 4330,2790 h60
  text "POWER" at 3620,2620 h60 r90
  text "SOLENOIDS" at 4640,2490 h60 r90
  text "RETRO" at 4440,2210 h60 r90
  text "o" at 6366.22,2155 h200
  text "e" at 6335,2025 h200
  text "REV 2" at 1385,1975 h60
  text "braking_io.PrjPcb" at 1385,1910 h60
Bottom Overlay:
  text "Bottom Silk" at 6395,1955 h60
Board Outline:
  the board outline again, w10
Mechanical 16:
  drawing of 339 lines, arcs and shapes, not listed
  text "1" at 1543.84,8372.5 h70
  text "2" at 4039.5,8372.5 h70
  text "4" at 9035.51,8372.5 h70
  text "A" at 387.5,7775 h70
  text "A" at 11030,7775 h70
  text "Layer" at 5775.34,7722.5 h60
  text "Name" at 6185.26,7722.5 h60
  text "Material" at 7115,7722.5 h60
  text "Thickness" at 7974.77,7722.5 h60
  text "Constant" at 8624.6,7722.5 h60
  text "Board Layer Stack" at 9194.46,7722.5 h60
  text "1" at 5775.34,7602.5 h60
  text "Top Overlay" at 6185.26,7602.5 h60
  text "2" at 5775.34,7482.5 h60
  text "Top Solder" at 6185.26,7482.5 h60
  text "Solder Resist" at 7115,7482.5 h60
  text "0.40mil" at 7974.77,7482.5 h60
  text "3.5" at 8624.6,7482.5 h60
  text "3" at 5775.34,7362.5 h60
  text "Top Layer" at 6185.26,7362.5 h60
  text "Copper" at 7115,7362.5 h60
  text "1.40mil" at 7974.77,7362.5 h60
  text "4" at 5775.34,7242.5 h60
  text "Dielectric 2" at 6185.26,7242.5 h60
  text "FR-4" at 7115,7242.5 h60
  text "18.70mil" at 7974.77,7242.5 h60
  text "4.9" at 8624.6,7242.5 h60
  text "5" at 5775.34,7122.5 h60
  text "GND" at 6185.26,7122.5 h60
  text "Copper" at 7115,7122.5 h60
  text "1.40mil" at 7974.77,7122.5 h60
  text "6" at 5775.34,7002.5 h60
  text "Dielectric 1" at 6185.26,7002.5 h60
  text "FR-4" at 7115,7002.5 h60
  text "18.70mil" at 7974.77,7002.5 h60
  text "4.9" at 8624.6,7002.5 h60
  text "7" at 5775.34,6882.5 h60
  text "PWR" at 6185.26,6882.5 h60
  text "Copper" at 7115,6882.5 h60
  text "1.40mil" at 7974.77,6882.5 h60
  text "8" at 5775.34,6762.5 h60
  text "Dielectric 3" at 6185.26,6762.5 h60
  text "FR-4" at 7115,6762.5 h60
  text "18.70mil" at 7974.77,6762.5 h60
  text "4.9" at 8624.6,6762.5 h60
  text "9" at 5775.34,6642.5 h60
  text "Bottom Layer" at 6185.26,6642.5 h60
  text "Copper" at 7115,6642.5 h60
  text "1.40mil" at 7974.77,6642.5 h60
  text "10" at 5775.34,6522.5 h60
  text "Bottom Solder" at 6185.26,6522.5 h60
  text "Solder Resist" at 7115,6522.5 h60
  text "0.40mil" at 7974.77,6522.5 h60
  text "3.5" at 8624.6,6522.5 h60
  text "11" at 5775.34,6402.5 h60
  text "Bottom Overlay" at 6185.26,6402.5 h60
  text "B" at 11027.5,5902 h70
  text "B" at 387.5,5849.5 h70
  text "C" at 11027.5,3527 h70
  text "C" at 387.5,3474.5 h70
  text "ENGINEER:" at 6502.5,1312.5 h45
  text "TITLE:" at 8002.5,1312.5 h45
  text "D" at 11027.5,1157 h70
  text "RCastle, BTobin, JEslinger,  / SRiggleman" at 6780,1115 h110
  text ".PCB_FILE_NAME_NO_PATH" at 8097.5,1064.78 h200
  text "PCB DESIGNER:" at 6502.5,1017.5 h45
  text "RCastle, BTobin" at 6537.5,887.5 h110
  text "DATE:" at 6502.5,712.5 h45
  text "PART NO.:" at 8002.5,712.5 h45
  text "REV:" at 10102.5,712.5 h45
  text "Badgerloop" at 5202.5,612.5 h110
  text ".PRINT_DATE" at 6552.5,592.5 h110
  text "Braking Input Output Controller" at 8072.5,587.5 h110
  text "A" at 10112.5,587.5 h110
  text "ERB Room 133" at 5202.5,512.5 h110
  text "1400 Engineering Drive" at 5202.5,412.5 h110
  text "FILE NAME:" at 6502.5,412.5 h45
  text "DWG NO:" at 8002.5,412.5 h45
  text "SCALE:" at 10102.5,412.5 h45
  text "Madison, WI 53706" at 5202.5,312.5 h110
  text ".PCB_FILE_NAME_NO_PATH" at 6552.5,292.5 h110
  text "1:1" at 10117.5,287.5 h110
  text "3" at 6528.84,72.5 h70
  text "4" at 9035.51,72.5 h70
Drill Drawing:
  circle w10: c1330.13,7389.89 r27.6
  lines w10: 1302.54,7127.73 1316.34,7127.73 1316.34,7113.94 1343.93,7113.94 1343.93,7127.73 1357.73,7127.73 1357.73,7155.33 1343.93,7155.33 1343.93,7169.13 1316.34,7169.13 1316.34,7155.33 1302.54,7155.33 1302.54,7127.73 ; 1302.54,7251.91 1316.34,7251.91 1330.13,7238.12 1343.93,7251.91 1357.73,7251.91 1343.93,7265.71 1357.73,7279.51 1343.93,7279.51 1330.13,7293.31 1316.34,7279.51 1302.54,7279.51 1316.34,7265.71 1302.54,7251.91 ; 1302.54,7541.67 1357.73,7541.67 1330.13,7486.48 1302.54,7541.67 ; 1302.54,7610.66 1357.73,7610.66 1357.73,7665.85 1302.54,7665.85 1302.54,7610.66 ; 1302.54,7734.84 1302.54,7748.64 1316.34,7762.44 1302.54,7776.23 1302.54,7790.03 1316.34,7790.03 1330.13,7776.23 1343.93,7790.03 1357.73,7790.03 1357.73,7776.23 1343.93,7762.44 1357.73,7748.64 1357.73,7734.84 1343.93,7734.84 1330.13,7748.64 1316.34,7734.84 1302.54,7734.84
  lines w15: 1252.5,7076.68 4785.72,7076.68 ; 1252.5,7821.77 4785.72,7821.77 ; 1571.66,6952.5 1571.66,7945.95 ; 1864.06,6952.5 1864.06,7945.95 ; 2438.12,6952.5 2438.12,7945.95 ; 2685.59,6952.5 2685.59,7945.95 ; 3045.88,6952.5 3045.88,7945.95 ; 3728.67,6952.5 3728.67,7945.95 ; 4023.89,6952.5 4023.89,7945.95 ; 4409.55,6952.5 4409.55,7945.95 ; 1252.5,6952.5 4785.72,6952.5 4785.72,7945.95 1252.5,7945.95 1252.5,6952.5
  text "Symbol" at 1327.01,7859.02 h72
  text "Count" at 1608.91,7859.02 h72
  text "Hole Size" at 1901.31,7859.02 h72
  text "Plated" at 2475.38,7859.02 h72
  text "Hole Type" at 2722.84,7859.02 h72
  text "Drill Layer Pair" at 3083.13,7859.02 h72
  text "Via/Pad" at 3765.92,7859.02 h72
  text "Pad Shape" at 4061.14,7859.02 h72
  text "Template" at 4446.81,7859.02 h72
  text "414" at 1608.91,7734.84 h60
  text "15.00mil (0.381mm)" at 1901.31,7734.84 h60
  text "PTH" at 2475.38,7734.84 h60
  text "Round" at 2722.84,7734.84 h60
  text "Top Layer - Bottom Layer" at 3083.13,7734.84 h60
  text "Via" at 3765.92,7734.84 h60
  text "Rounded" at 4061.14,7734.84 h60
  text "v76h38" at 4446.81,7734.84 h60
  text "17" at 1608.91,7610.66 h60
  text "39.37mil (1.000mm)" at 1901.31,7610.66 h60
  text "PTH" at 2475.38,7610.66 h60
  text "Round" at 2722.84,7610.66 h60
  text "Top Layer - Bottom Layer" at 3083.13,7610.66 h60
  text "Pad" at 3765.92,7610.66 h60
  text "Rounded" at 4061.14,7610.66 h60
  text "c180h100" at 4446.81,7610.66 h60
  text "80" at 1608.91,7486.48 h60
  text "40.00mil (1.016mm)" at 1901.31,7486.48 h60
  text "PTH" at 2475.38,7486.48 h60
  text "Round" at 2722.84,7486.48 h60
  text "Top Layer - Bottom Layer" at 3083.13,7486.48 h60
  text "Pad" at 3765.92,7486.48 h60
  text "Rounded" at 4061.14,7486.48 h60
  text "c178h102" at 4446.81,7486.48 h60
  text "30" at 1608.91,7362.3 h60
  text "40.16mil (1.020mm)" at 1901.31,7362.3 h60
  text "PTH" at 2475.38,7362.3 h60
  text "Round" at 2722.84,7362.3 h60
  text "Top Layer - Bottom Layer" at 3083.13,7362.3 h60
  text "Pad" at 3765.92,7362.3 h60
  text "(Mixed)" at 4061.14,7362.3 h60
  text "(Mixed)" at 4446.81,7362.3 h60
  text "15" at 1608.91,7238.12 h60
  text "118.00mil (2.997mm)" at 1901.31,7238.12 h60
  text "PTH" at 2475.38,7238.12 h60
  text "Round" at 2722.84,7238.12 h60
  text "Top Layer - Bottom Layer" at 3083.13,7238.12 h60
  text "Pad" at 3765.92,7238.12 h60
  text "Rounded" at 4061.14,7238.12 h60
  text "c376h300" at 4446.81,7238.12 h60
  text "4" at 1608.91,7113.94 h60
  text "147.64mil (3.750mm)" at 1901.31,7113.94 h60
  text "NPTH" at 2475.38,7113.94 h60
  text "Round" at 2722.84,7113.94 h60
  text "Top Layer - Bottom Layer" at 3083.13,7113.94 h60
  text "Pad" at 3765.92,7113.94 h60
  text "Rounded" at 4061.14,7113.94 h60
  text "c500hn375" at 4446.81,7113.94 h60
  text "560 Total" at 1608.91,6989.75 h60

## Dimensions
7055,5705 to 7055,1865 on Top Overlay
1055,5705 to 7055,5705 on Top Overlay

## Text inside footprints (layer, text, board x,y; h text height)
U12: Mechanical 13 "*" at 5385.5,3200 h50 r90
U22: Top Overlay "USB" at 4400,4000 h60 r90